# KiCad board GPDI_ULX3S_panel.kicad_pcb (continued)
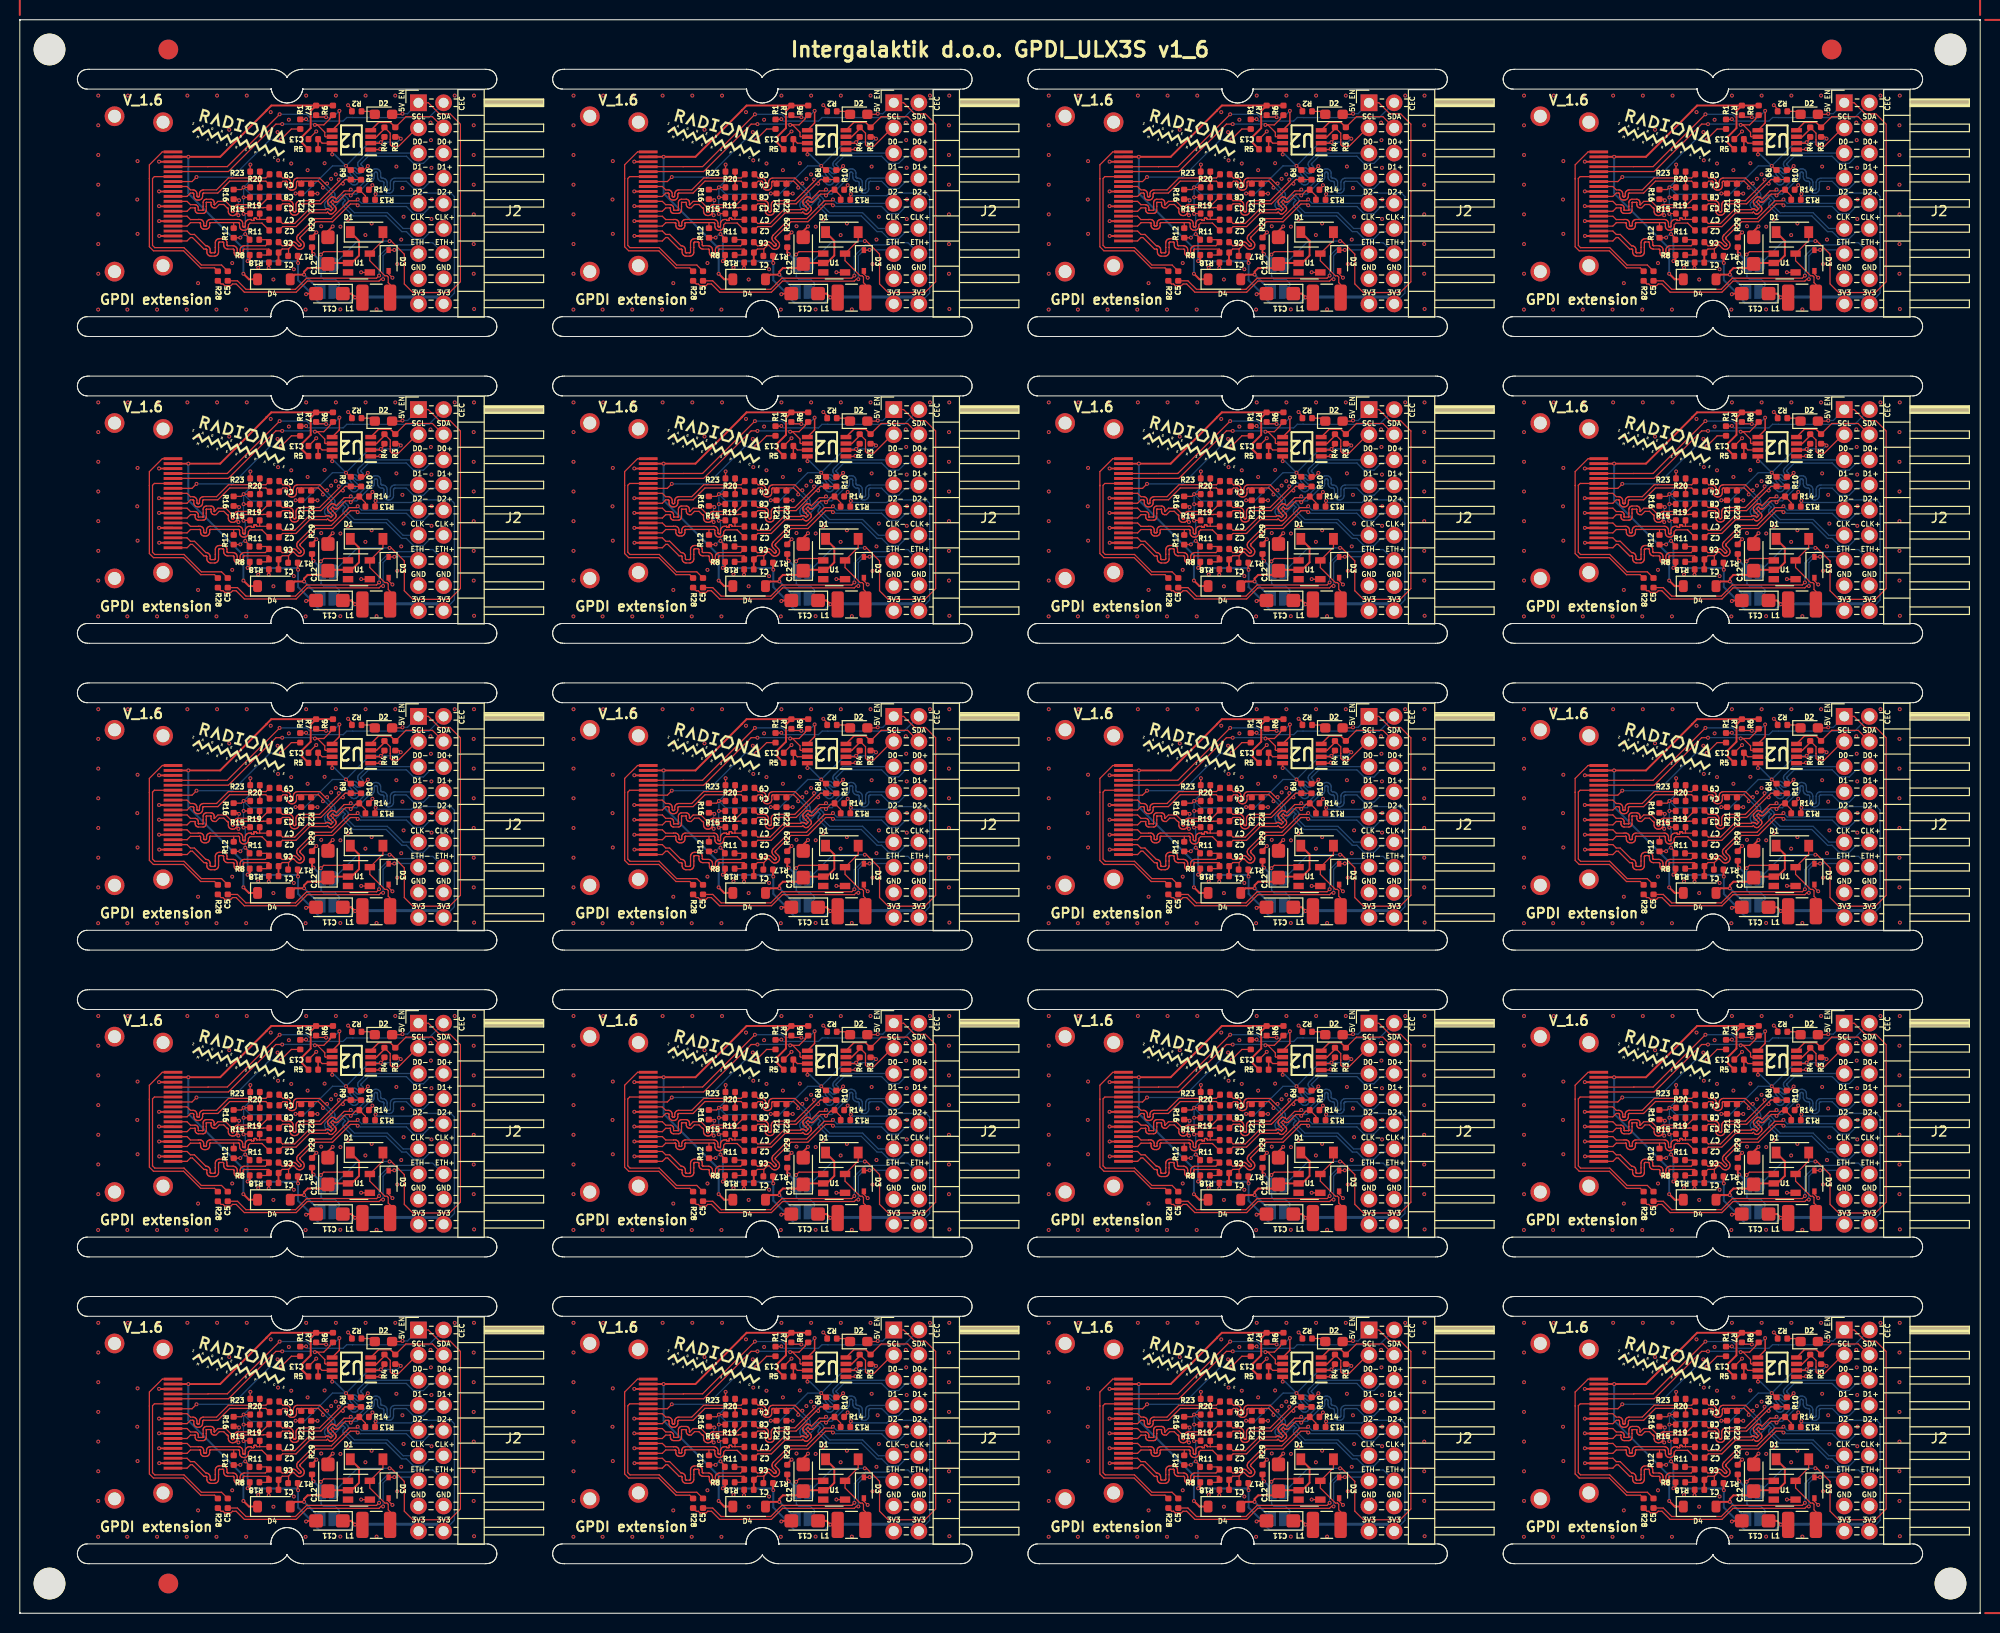
[diagram p0: board, top side]
## Routing (per net, layer and track width the routed paths; a pad name or vN(x,y) marks a point on that pad's centre or on a via; arc(x,y) is an arc through that point) (continued)
  Bottom w0.127: v1(32.63,51.44) 32.63,51.63 32.85,51.85 32.87,51.87 32.9,51.88 32.93,51.89 32.96,51.89 32.99,51.88 33.02,51.87 33.05,51.85 33.46,51.43 33.54,51.37 33.62,51.33 33.72,51.31 33.82,51.31 33.91,51.33 34,51.37 34.07,51.43 34.11,51.47 34.17,51.55 34.21,51.63 34.24,51.73 34.24,51.83 34.21,51.92 34.17,52.01 34.11,52.08 33.7,52.5 33.68,52.52 33.66,52.55 33.66,52.58 33.66,52.61 33.66,52.64 33.68,52.67 33.7,52.7 33.71,52.71 33.73,52.72 33.75,52.72 33.77,52.72 33.79,52.72 33.81,52.71 33.83,52.7 33.95,52.57 34.02,52.51 34.1,52.48 34.18,52.46 34.27,52.46 34.35,52.48 34.43,52.51 34.5,52.57 34.6,52.67 34.66,52.74 34.7,52.82 34.72,52.9 34.72,52.99 34.7,53.07 34.66,53.15 34.6,53.22 34.48,53.35 34.46,53.36 34.45,53.38 34.45,53.4 34.45,53.42 34.45,53.44 34.46,53.46 34.48,53.47 35.22,54.22 39.04,54.22 39.76,53.49 40.76,53.49 41.48,54.22 42.48,54.22 J2#14.6
Board_12-GPDI_D0-: length 20.9
  Top w0.127: v1(32.22,51.86) 32.22,51.67 30.27,49.72 28.33,49.72 28.23,49.71 28.14,49.68 28.06,49.63 27.99,49.56 27.94,49.48 27.9,49.39 27.89,49.29 27.89,48.72 27.89,48.69 27.88,48.66 27.86,48.63 27.84,48.61 27.81,48.59 27.78,48.58 27.75,48.58 27.72,48.58 27.69,48.59 27.66,48.61 27.64,48.63 27.63,48.66 27.62,48.69 27.61,48.72 27.61,49.29 27.6,49.39 27.57,49.48 27.52,49.56 27.45,49.63 27.37,49.68 27.28,49.71 27.18,49.72 26.53,49.72 C8#18.1
  Bottom w0.127: J2#14.5 35.08,54.53 34.23,53.68 34.18,53.62 34.14,53.54 34.12,53.45 34.12,53.37 34.14,53.28 34.18,53.21 34.23,53.14 34.36,53.01 34.37,52.99 34.38,52.97 34.39,52.95 34.39,52.93 34.38,52.91 34.37,52.9 34.36,52.88 34.29,52.81 34.28,52.8 34.26,52.79 34.24,52.78 34.22,52.78 34.2,52.79 34.18,52.8 34.16,52.81 34.03,52.94 33.97,52.99 33.89,53.03 33.8,53.05 33.72,53.05 33.63,53.03 33.56,52.99 33.49,52.94 33.45,52.9 33.39,52.83 33.35,52.74 33.33,52.65 33.33,52.55 33.35,52.45 33.39,52.37 33.45,52.29 33.87,51.88 33.89,51.85 33.9,51.82 33.91,51.79 33.91,51.76 33.9,51.73 33.89,51.7 33.87,51.68 33.84,51.66 33.81,51.64 33.78,51.64 33.75,51.64 33.72,51.64 33.69,51.66 33.67,51.68 33.25,52.09 33.18,52.15 33.09,52.19 33,52.22 32.9,52.22 32.81,52.19 32.72,52.15 32.64,52.09 32.41,51.86 v1(32.22,51.86)
Board_12-GPDI_D1+: length 26.6
  Top w0.127: R13#14.2 34.91,50.21 R14#7.1 34.19,50.74 33.91,50.74 v1(33.42,50.25) 33.29,50.39 32.89,50.39 32.16,49.66 32.1,49.61 32.04,49.59 31.98,49.57 31.91,49.57 31.85,49.59 31.79,49.61 31.73,49.66 31.61,49.78 31.41,49.58 31.63,49.36 31.62,49.35 31.86,49.11 31.9,49.06 31.93,48.99 31.95,48.93 31.95,48.86 31.93,48.8 31.9,48.74 31.86,48.68 31.63,48.46 31.58,48.42 31.52,48.39 31.46,48.37 31.39,48.37 31.32,48.39 31.26,48.42 31.21,48.46 31.08,48.58 30.99,48.49 29.29,48.49 27.9,47.1 26.54,47.1 C2#10.1
  Bottom w0.127: v1(33.42,50.25) 33.56,50.39 34.03,50.39 35.31,51.68 35.34,51.68 35.44,51.69 35.54,51.72 35.62,51.78 35.7,51.85 35.75,51.93 35.78,52.03 35.8,52.13 35.8,52.45 35.8,52.49 35.81,52.53 35.83,52.56 35.86,52.58 35.89,52.6 35.92,52.62 35.96,52.62 36,52.62 36.03,52.6 36.06,52.58 36.09,52.56 36.11,52.53 36.12,52.49 36.13,52.45 36.13,52.13 36.14,52.03 36.17,51.93 36.23,51.85 36.3,51.78 36.39,51.72 36.48,51.69 36.58,51.68 36.61,51.68 36.65,51.67 36.68,51.66 36.71,51.64 36.74,51.61 36.76,51.58 36.77,51.55 36.78,51.51 36.78,50.94 36.79,50.84 36.82,50.74 36.88,50.65 36.95,50.58 37.04,50.53 37.13,50.49 37.23,50.48 37.29,50.48 37.39,50.49 37.49,50.53 37.57,50.58 37.65,50.65 37.7,50.74 37.73,50.84 37.75,50.94 37.75,51.51 37.75,51.55 37.76,51.58 37.78,51.61 37.81,51.64 37.84,51.66 37.87,51.67 37.91,51.68 39.04,51.68 39.76,50.95 40.76,50.95 41.48,51.68 42.48,51.68 J2#14.8
Board_12-GPDI_D1-: length 21
  Top w0.127: C7#17.1 26.54,47.42 27.77,47.42 29.16,48.81 30.86,48.81 30.87,48.82 30.92,48.86 30.98,48.89 31.05,48.91 31.12,48.91 31.18,48.89 31.24,48.86 31.3,48.82 31.42,48.7 31.62,48.9 31.4,49.12 31.41,49.13 31.17,49.37 31.13,49.42 31.1,49.48 31.08,49.55 31.08,49.62 31.1,49.68 31.13,49.74 31.17,49.79 31.39,50.02 31.45,50.06 31.51,50.09 31.57,50.11 31.64,50.11 31.71,50.09 31.77,50.06 31.82,50.02 31.94,49.89 32.76,50.71 33.29,50.71 v1(33.42,50.85)
  Bottom w0.127: v1(33.42,50.85) 33.56,50.71 33.89,50.71 35.18,52 35.31,52 35.35,52 35.38,52.01 35.41,52.03 35.44,52.06 35.46,52.09 35.47,52.12 35.48,52.16 35.48,52.48 35.49,52.58 35.52,52.68 35.58,52.77 35.65,52.84 35.74,52.89 35.83,52.93 35.93,52.94 35.99,52.94 36.09,52.93 36.19,52.89 36.27,52.84 36.35,52.77 36.4,52.68 36.43,52.58 36.45,52.48 36.45,52.16 36.45,52.12 36.46,52.09 36.48,52.06 36.51,52.03 36.54,52.01 36.57,52 36.61,52 36.64,52 36.74,51.98 36.84,51.95 36.92,51.9 37,51.82 37.05,51.74 37.08,51.64 37.1,51.54 37.1,50.97 37.1,50.93 37.11,50.89 37.13,50.86 37.16,50.84 37.19,50.82 37.22,50.8 37.26,50.8 37.3,50.8 37.33,50.82 37.36,50.84 37.39,50.86 37.41,50.89 37.42,50.93 37.43,50.97 37.43,51.54 37.44,51.64 37.47,51.74 37.53,51.82 37.6,51.9 37.69,51.95 37.78,51.98 37.88,52 J2#14.7
Board_12-GPDI_D2+: length 22.7
  Top w0.127: 27.14,44.84 27.14,44.19 R17#14.2 ; 27.14,44.84 26.5,44.84 C1#9.1 ; 27.14,44.84 27.49,45.19 27.51,45.21 27.54,45.22 27.57,45.23 27.6,45.23 27.63,45.22 27.66,45.21 27.69,45.19 27.96,44.92 28.03,44.86 28.12,44.82 28.21,44.79 28.31,44.79 28.4,44.82 28.49,44.86 28.57,44.92 28.61,44.96 28.67,45.03 28.71,45.12 28.73,45.21 28.73,45.31 28.71,45.41 28.67,45.49 28.61,45.57 28.34,45.84 28.32,45.86 28.3,45.89 28.3,45.92 28.3,45.95 28.3,45.98 28.32,46.01 28.34,46.04 29.89,47.59 31.59,47.59 33.39,49.39 33.99,49.39 v1(34.12,49.25)
  Top w0.2: C1#9.1 26.13,44.47 R18.1
  Bottom w0.127: v1(34.12,49.25) 34.27,49.25 34.38,49.14 39.04,49.14 39.76,48.41 40.76,48.41 41.48,49.14 42.48,49.14 J2#14.10
Board_12-GPDI_D2-: length 17.8
  Top w0.127: C6#5.1 26.5,45.16 27.01,45.16 27.28,45.43 27.36,45.49 27.44,45.53 27.54,45.56 27.64,45.56 27.73,45.53 27.82,45.49 27.89,45.43 28.16,45.16 28.19,45.14 28.21,45.13 28.25,45.12 28.28,45.12 28.31,45.13 28.34,45.14 28.36,45.16 28.38,45.19 28.39,45.22 28.4,45.25 28.4,45.28 28.39,45.31 28.38,45.34 28.36,45.36 28.09,45.63 28.03,45.71 27.99,45.79 27.97,45.89 27.97,45.98 27.99,46.08 28.03,46.17 28.09,46.24 29.76,47.91 31.46,47.91 33.26,49.71 33.99,49.71 v1(34.12,49.85)
  Bottom w0.127: v1(34.12,49.85) 34.52,49.46 J2#14.9
Board_12-GPDI_ETH+: length 25.7
  Top w0.127: v1(36.29,42.15) 36.03,41.89 28.97,41.89 27.84,40.77 22.84,40.77 21.98,41.62 C5#14.1
  Bottom w0.127: v1(36.29,42.15) 36.29,44.13 37.41,45.25 39.65,45.25 39.87,45.47 41.71,45.47 J2#14.14
Board_12-GPDI_ETH-: length 24.8
  Top w0.127: v1(37.82,44.75) 37.8,44.72 37.25,44.72 ; v1(36.69,41.79) 36.48,41.79 36.29,41.6 29.03,41.6 27.91,40.48 22.68,40.48 21.85,41.31 21.48,41.31 21.31,41.14 20.69,41.14 20.52,41.31 20.32,41.31 R28#14.2
  Bottom w0.127: J2#14.13 39.89,44.75 v1(37.83,44.75) 37.27,44.75 36.69,44.16 36.69,41.79 v1(36.69,41.79)
Board_12-GPDI_SCL: length 21.1
  Top w0.127: P1#17.15 15.48,52.67 21.07,52.67 25.86,57.46 v1(26.5,57.46) ; U2#8.6 30.87,56.18 30.8,56.25 30.8,56.63 30.05,57.38 v1(29.8,57.38) 30.7,57.38 31.32,58 31.32,58.06 R6#13.2
  Bottom w0.127: v1(26.5,57.46) 26.51,57.47 29.71,57.47 v1(29.8,57.38)
Board_12-GPDI_SDA: length 22.8
  Top w0.127: v1(30.93,58.16) 30.91,58.18 30.11,58.18 R7#18.2 ; P1#17.16 19.01,53.15 19.02,53.17 20.96,53.17 v1(26.24,58.45)
  Top w0.15: U2#8.5 32.28,57.57 v1(32.28,58.8)
  Bottom w0.127: v1(26.24,58.45) 28.97,58.45 29.25,58.17 30.92,58.17 v1(30.93,58.16) 30.99,58.1 31.58,58.1 v1(32.28,58.8)
Board_12-Net-(D1-A): length 8.1
  Top w0.127: L1#12.2 37.4,41.25 37.21,41.44 37.21,42.01 37.08,42.13 36.87,42.13 35.35,43.66 U1#2.5 36.67,45.7 D1#4.2
Board_12-Net-(D1-K): length 13.2
  Top w0.2: D4#5.2 27.78,42.25 v1(28.71,42.25) 28.71,42.55 29.07,42.91 30.7,42.91 C12#5.1 31.22,43.43 U1#2.2 33.51,43.43 34.26,44.18 34.26,45.66 D1#4.1
  Bottom w0.2: v1(28.71,42.25) 30.37,40.59 JP2#12.1
Board_12-Net-(D2-K): length 1.5
  Top w0.127: D2#14.1 35.55,58.75 R2#14.1
Board_12-Net-(U2-VREF2): length 2.6
  Top w0.127: C13#17.1 30.53,55.53 U2#8.7
  Top w0.15: R5#12.2 C13#17.1
Board_12-PMOD_SCL: length 8.1
  Top w0.127: R4#17.2 37.41,56.55 37.41,55.88 37.41,55.88 37.41,55.38 37.59,55.21 38.25,55.21 40.11,57.07 J2#14.3 39.88,56.69
  Top w0.15: R4#17.2 36.82,56.98 36.03,56.18 U2#8.3
Board_12-PMOD_SDA: length 8.8
  Top w0.127: J2#14.4 41.67,58.21 39,58.21 R3#16.2
  Top w0.15: U2#8.4 36.24,57.63 37.43,57.63 R3#16.2
Board_13-5V_ENABLE: length 54.8
  Top w0.127: 87.8,59.15 J2#3.1 89.26,59.62 90.39,58.49 91.46,58.49 92.5,57.45 92.5,41.53 91.41,40.44 87.7,40.44 86.83,41.31 86.83,44.32 85.51,45.64 v1(85.34,45.64) ; v1(86.65,58.51) 86.59,58.45 D2#8.2 ; U1#20.1 80.96,44.57 78.7,44.57 v1(78.41,44.28)
  Top w0.2: v1(77.66,44.33) 77.51,44.48 R29#14.1
  Bottom w0.127: v1(78.41,44.28) 78.41,44.01 78.42,44 JP1#7.2 78.43,43.25 78.43,42.03 78.44,42.03 78.68,41.79 79.86,41.79 80.26,41.39 80.26,41.13 JP2#8.2 ; JP1#7.1 82.12,45.64 v1(85.34,45.64) ; v1(86.65,58.51) 87.16,58.51 J2#3.1
  Bottom w0.2: v1(77.66,44.33) 78.42,43.57 JP1#7.2
  Bottom w0.5: JP1#7.2 JP1#7.1
Board_13-+3V3: length 87.4
  Top w0.127: R15#4.1 70.62,48.42 v1(70.59,48.39) ; L1#4.1 81.88,39.93 v1(81.86,39.95) ; v1(84.47,55.63) 84.82,55.99 R4#5.1 ; v1(80.94,53.24) 81.36,52.82 R9#17.1 ; R20#3.1 v1(70.6,51.07) 70.38,50.85 R16#2.1 ; R3#4.1 86.3,56.16 v1(86.47,55.99) ; v1(71.29,53.37) 71.27,53.35 R23#8.1 ; v1(70.27,45.99) 70.26,45.97 R12#13.1 ; R11#10.1 71.21,45.91 v1(70.77,46.35) ; v1(83.93,50.38) 83.88,50.33 R13#7.1 ; v1(75.85,50.45) R21.1 ; R19#6.1 v1(70.6,50.06)
  Top w0.15: U2#6.8 79.54,54.41 v1(79.55,54.4) ; v1(84.47,55.63) 84.37,55.53 U2#6.2
  Top w0.2: R8#3.1 71.23,43.84 v1(71.01,43.62) ; v1(81.86,39.95) 81.48,40.33 C11#17.1 ; v1(76.1,43.43) 76.07,43.46 R17#11.1
  Bottom w0.127: v1(70.6,51.07) v1(70.6,50.06) 70.59,50.05 v1(70.59,48.39) 70.77,48.22 v1(70.77,46.35) 70.63,46.35 v1(70.27,45.99) ; v1(70.6,51.07) 71.29,51.75 v1(71.29,53.37) ; v1(70.6,51.07) 71.3,50.37 75.77,50.37 v1(75.85,50.45) 76.79,50.45 79.58,53.24 v1(80.94,53.24) 83.34,55.63 v1(84.47,55.63) 86.12,55.63 v1(86.47,55.99) ; v1(83.93,50.38) 84.08,50.23 87.57,50.23 87.83,50.5 91.54,50.5 91.89,50.14 91.89,40.38 J2#3.18
  Bottom w0.15: v1(79.55,54.4) 79.78,54.4 v1(80.94,53.24)
  Bottom w0.2: v1(70.77,46.35) 71.01,46.11 v1(71.01,43.62) 71.03,43.6 75.93,43.6 v1(76.1,43.43) 76.1,41.68 77.65,40.14 77.65,40 78.24,39.41 81.32,39.41 v1(81.86,39.95)
  Bottom w0.3: v1(81.86,39.95) 81.9,39.99 90.11,39.99 J2#3.18
Board_13-+5V: length 39.3
  Top w0.2: R7#4.1 77.38,58.79 77.38,57.06 76.53,56.2 76.53,55.55 R5#14.1 ; R7#4.1 R6#19.1 ; R7#4.1 73.4,59.34 72.92,58.85 72.92,58.83 68.24,54.15 v1(65.02,54.15) P1#7.18 ; D4#6.1 71.14,41.78 v1(70.58,42.34)
  Bottom w0.2: v1(65.02,54.15) 65.02,50.46 70.58,44.9 v1(70.58,42.34)
Board_13-/CEC: length 15.1
  Top w0.127: R1#4.1 75.43,56.97 v1(74.37,55.91) ; v1(65.85,52.11) 65.39,51.65 P1#7.13
  Bottom w0.127: v1(65.85,52.11) 69.47,52.11 73.28,55.91 v1(74.37,55.91)
Board_13-/CLK+: length 12.1
  Top w0.127: P1#7.10 64.89,50.15 65.24,50.5 65.45,50.5 65.48,50.49 65.51,50.48 65.53,50.47 65.55,50.45 65.56,50.43 65.57,50.4 65.57,50.38 65.57,50.19 65.58,50.1 65.61,50.02 65.66,49.94 65.73,49.87 65.8,49.82 65.89,49.79 65.98,49.78 66.05,49.78 66.14,49.79 66.23,49.82 66.31,49.87 66.37,49.94 66.42,50.02 66.45,50.1 66.46,50.19 66.46,50.38 66.47,50.4 66.48,50.43 66.49,50.45 66.51,50.47 66.53,50.48 66.55,50.49 66.58,50.5 68,50.5 69.2,51.7 72.85,51.7 C4#2.2
  Top w0.15: R20#3.2 72.24,51.66
Board_13-/CLK-: length 12.2
  Top w0.127: 72.26,52.02 72.85,52.02 C9#6.2 ; 72.26,52.02 72.24,52.03 R23#8.2 ; 72.26,52.02 69.07,52.02 67.87,50.81 66.56,50.81 66.46,50.8 66.38,50.77 66.3,50.72 66.23,50.66 66.19,50.58 66.16,50.49 66.14,50.4 66.14,50.22 66.14,50.19 66.13,50.17 66.12,50.15 66.1,50.13 66.08,50.11 66.05,50.1 66.03,50.1 66.01,50.1 65.98,50.1 65.96,50.11 65.93,50.13 65.92,50.15 65.9,50.17 65.89,50.19 65.89,50.22 65.89,50.4 65.88,50.49 65.85,50.58 65.8,50.66 65.74,50.72 65.66,50.77 65.57,50.8 65.48,50.81 65.24,50.81 64.89,51.15 P1#7.12
Board_13-/D0+: length 15.7
  Top w0.127: C3#4.2 72.59,49.03 72.57,49.01 70.66,49.01 70.63,49 70.6,48.99 70.58,48.98 70.56,48.96 70.54,48.93 70.53,48.91 70.53,48.88 70.53,48.87 70.53,48.84 70.52,48.82 70.5,48.79 70.48,48.77 70.46,48.76 70.43,48.75 70.4,48.75 70.37,48.75 70.35,48.76 70.32,48.77 70.3,48.79 70.29,48.82 70.28,48.84 70.28,48.87 70.28,48.88 70.27,48.91 70.26,48.93 70.25,48.96 70.23,48.98 70.2,48.99 70.18,49 70.15,49.01 70.08,49.01 70.05,49 70.02,48.99 70,48.98 69.98,48.96 69.96,48.93 69.95,48.91 69.95,48.88 69.95,48.64 69.94,48.55 69.91,48.46 69.86,48.38 ; v1(70.15,49.76) 70.03,49.88 R16#2.2 ; 69.86,48.38 69.95,48.38 v1(70.08,48.25) ; 69.86,48.38 69.79,48.31 69.71,48.26 69.62,48.23 69.53,48.22 69.48,48.22 69.38,48.23 69.3,48.26 69.22,48.31 69.15,48.38 69.1,48.46 69.07,48.55 69.06,48.64 69.06,48.88 69.05,48.91 69.04,48.93 69.03,48.96 69.01,48.98 68.99,48.99 68.96,49 68.93,49.01 68.6,49.34 68.14,49.34 67.8,49 67.65,49 67.58,49 67.5,49.03 67.44,49.07 67.39,49.12 67.35,49.19 67.32,49.26 67.31,49.33 67.31,49.51 67.31,49.52 67.31,49.53 67.3,49.54 67.3,49.54 67.29,49.55 67.28,49.55 67.27,49.55 66.87,49.55 66.86,49.55 66.85,49.55 66.85,49.54 66.84,49.54 66.84,49.53 66.83,49.52 66.83,49.51 66.83,49.15 66.83,48.78 66.82,48.7 66.8,48.63 66.76,48.57 66.7,48.51 66.64,48.47 66.57,48.45 66.49,48.44 66.05,48.44 65.97,48.45 65.9,48.47 65.84,48.51 65.79,48.57 65.75,48.63 65.72,48.7 65.71,48.78 65.71,48.96 65.71,48.97 65.71,48.97 65.7,48.98 65.7,48.99 65.69,48.99 65.68,48.99 65.67,49 65.24,49 64.89,48.65 P1#7.7
  Bottom w0.127: v1(70.08,48.25) 70.08,49.7 v1(70.15,49.76)
Board_13-/D0-: length 14.1
  Top w0.127: P1#7.9 64.89,49.65 65.24,49.31 65.69,49.31 65.77,49.31 65.84,49.28 65.9,49.24 65.96,49.19 66,49.12 66.02,49.05 66.03,48.98 66.03,48.8 66.03,48.79 66.03,48.78 66.04,48.77 66.05,48.77 66.05,48.76 66.06,48.76 66.07,48.76 66.47,48.76 66.48,48.76 66.49,48.76 66.5,48.77 66.5,48.77 66.51,48.78 66.51,48.79 66.51,48.8 66.51,49.15 66.51,49.15 66.51,49.53 66.52,49.61 66.55,49.68 66.59,49.74 66.64,49.8 66.7,49.84 66.78,49.86 66.85,49.87 67.29,49.87 67.37,49.86 67.44,49.84 67.51,49.8 67.56,49.74 67.6,49.68 67.62,49.61 67.63,49.53 67.63,49.35 67.63,49.34 67.64,49.34 67.64,49.33 67.65,49.32 67.65,49.32 67.66,49.32 67.67,49.31 68.01,49.65 68.8,49.65 69.28,49.17 69.33,49.09 69.37,49 69.38,48.91 69.38,48.67 69.38,48.64 69.39,48.61 69.4,48.59 69.42,48.57 69.45,48.55 69.48,48.54 69.5,48.54 69.53,48.54 69.56,48.55 69.58,48.57 69.6,48.59 69.62,48.61 69.63,48.64 69.63,48.67 69.63,48.91 69.64,49 69.67,49.09 69.72,49.17 69.79,49.23 69.87,49.28 69.96,49.31 70.05,49.33 72.39,49.33 C8#10.2 73.13,50.06
  Top w0.15: 72.2,49.33 72.22,49.34 R19#6.2
Board_13-/D1+: length 12.6
  Top w0.127: 69.6,46.94 69.6,47.49 ; P1#7.4 64.89,47.15 65.24,47.5 66.15,47.5 66.16,47.51 66.18,47.5 66.2,47.5 66.22,47.49 66.24,47.47 66.25,47.45 66.25,47.43 66.26,47.41 66.26,47.23 66.27,47.14 66.29,47.06 66.34,46.99 66.4,46.93 66.48,46.88 66.56,46.85 66.64,46.84 66.79,46.84 66.87,46.85 66.95,46.88 67.03,46.93 67.09,46.99 67.14,47.06 67.16,47.14 67.17,47.23 67.17,47.41 67.18,47.43 67.18,47.45 67.19,47.47 67.21,47.49 67.23,47.5 67.25,47.5 67.27,47.51 70.07,47.51 70.1,47.5 70.13,47.49 70.15,47.48 70.17,47.46 70.18,47.43 70.19,47.41 70.2,47.38 70.2,47.15 70.21,47.05 70.24,46.97 70.29,46.89 70.36,46.82 70.44,46.77 70.52,46.74 70.62,46.73 70.67,46.73 70.76,46.74 70.85,46.77 70.93,46.82 71,46.89 71.05,46.97 71.08,47.05 71.09,47.15 71.09,47.29 71.26,47.46 72.45,47.46 C2#15.2
Board_13-/D1-: length 12.8
  Top w0.127: 72.23,47.83 71.97,47.83 71.95,47.83 71.94,47.83 71.92,47.84 71.91,47.85 71.9,47.87 71.9,47.88 71.9,47.91 71.89,47.93 71.88,47.94 71.87,47.96 71.86,47.96 71.84,47.97 71.82,47.97 71.72,47.97 71.7,47.97 71.68,47.96 71.67,47.96 71.66,47.94 71.65,47.93 71.65,47.91 71.64,47.9 71.64,47.78 71.64,47.76 71.64,47.75 71.63,47.74 71.62,47.74 71.62,47.73 71.6,47.73 71.59,47.73 71.44,47.73 71.43,47.73 71.42,47.73 71.41,47.74 71.4,47.74 71.39,47.75 71.39,47.76 71.39,47.79 71.38,47.8 71.38,47.81 71.37,47.81 71.36,47.82 71.35,47.82 71.34,47.83 71.19,47.83 71.1,47.81 71.01,47.78 70.93,47.73 70.86,47.67 70.81,47.59 70.78,47.5 70.77,47.41 70.77,47.17 70.77,47.15 70.76,47.12 70.74,47.09 70.72,47.07 70.7,47.06 70.67,47.05 70.64,47.05 70.62,47.05 70.59,47.06 70.56,47.07 70.54,47.09 70.53,47.12 70.52,47.15 70.52,47.17 70.52,47.41 70.51,47.5 70.47,47.59 70.42,47.67 70.36,47.73 70.28,47.78 70.19,47.81 70.1,47.83 67.24,47.83 67.16,47.82 67.08,47.79 67,47.74 66.94,47.68 66.89,47.61 66.87,47.52 66.86,47.44 66.86,47.25 66.85,47.23 66.85,47.21 66.84,47.2 66.82,47.18 66.8,47.17 66.78,47.16 66.76,47.16 66.67,47.16 66.65,47.16 66.63,47.17 66.61,47.18 66.59,47.2 66.58,47.21 66.58,47.23 66.57,47.25 66.57,47.44 66.56,47.52 66.54,47.61 66.49,47.68 66.43,47.74 66.35,47.79 66.27,47.82 66.19,47.83 66.03,47.83 66.02,47.81 65.24,47.81 64.89,48.15 P1#7.6 ; 72.23,47.83 73.16,47.83 C7#14.2 ; 72.23,47.83 R15#4.2
Board_13-/D2+: length 15
  Top w0.127: R8#3.2 72.92,44.23 C1#19.2 73.17,44.8 73.14,44.83 70.65,44.83 70.62,44.82 70.6,44.79 70.58,44.77 70.57,44.74 70.57,44.71 70.57,44.5 70.56,44.4 70.52,44.31 70.47,44.23 70.4,44.16 70.32,44.1 70.23,44.07 70.13,44.06 70.08,44.06 69.98,44.07 69.89,44.1 69.81,44.16 69.74,44.23 69.69,44.31 69.66,44.4 69.64,44.5 69.64,44.71 69.64,44.74 69.63,44.77 69.61,44.79 69.59,44.82 69.56,44.83 69.01,44.83 68.91,44.84 68.83,44.88 68.75,44.92 68.68,44.99 68.63,45.07 68.6,45.16 68.59,45.25 68.59,45.44 68.59,45.47 68.58,45.49 68.57,45.51 68.55,45.53 68.53,45.54 68.51,45.55 68.48,45.55 68.18,45.55 68.16,45.55 68.14,45.54 68.12,45.53 68.1,45.51 68.09,45.49 68.08,45.47 68.07,45.44 68.07,45 68.07,45 68.07,44.53 68.06,44.44 68.03,44.35 67.98,44.27 67.92,44.21 67.84,44.16 67.75,44.13 67.66,44.12 67.31,44.12 67.21,44.13 67.13,44.16 67.05,44.21 66.98,44.27 66.93,44.35 66.9,44.44 66.89,44.53 66.89,44.73 66.89,44.75 66.88,44.77 66.87,44.79 66.85,44.81 66.83,44.82 66.81,44.83 66.78,44.83 66.6,44.83 65.43,46 65.24,46 64.89,45.65 P1#7.1
Board_13-/D2-: length 14.8
  Top w0.127: P1#7.3 64.89,46.65 65.24,46.31 65.64,46.31 66.78,45.17 66.81,45.17 66.9,45.16 66.99,45.13 67.07,45.08 67.13,45.01 67.18,44.93 67.21,44.84 67.22,44.75 67.22,44.56 67.23,44.54 67.23,44.51 67.25,44.49 67.26,44.48 67.28,44.46 67.31,44.45 67.33,44.45 67.63,44.45 67.66,44.45 67.68,44.46 67.7,44.48 67.72,44.49 67.73,44.51 67.74,44.54 67.74,44.56 67.74,45 67.74,45.47 67.75,45.56 67.78,45.65 67.83,45.73 67.9,45.79 67.98,45.84 68.06,45.87 68.16,45.88 68.51,45.88 68.6,45.87 68.69,45.84 68.77,45.79 68.83,45.73 68.88,45.65 68.91,45.56 68.92,45.47 68.92,45.27 68.93,45.25 68.94,45.23 68.95,45.21 68.97,45.19 68.99,45.18 69.01,45.17 69.03,45.17 69.53,45.17 69.63,45.16 69.72,45.12 69.8,45.07 69.87,45 69.92,44.92 69.95,44.83 69.96,44.73 69.96,44.52 69.97,44.49 69.98,44.46 69.99,44.43 70.02,44.41 70.04,44.39 70.07,44.38 70.11,44.38 70.14,44.38 70.17,44.39 70.19,44.41 70.22,44.43 70.23,44.46 70.24,44.49 70.25,44.52 70.25,44.73 70.26,44.83 70.29,44.92 70.34,45 70.41,45.07 70.49,45.12 70.59,45.16 70.68,45.17 72.8,45.17 C6#13.2 72.91,45.78 R11#10.2
Board_13-/ETH+: length 17.6
  Top w0.127: C5#4.2 68.38,43.22 66.34,43.22 64.58,44.98 61.63,44.98 61.4,45.2 61.4,51.97 61.59,52.15 P1#7.14
Board_13-/ETH-: length 19.2
  Top w0.127: P1#7.19 62.39,54.65 61.09,53.35 61.09,51.93 ; 61.09,51.93 61.09,51.97 ; 61.09,51.93 61.09,45.07 61.5,44.66 64.54,44.66 66.27,42.93 67.67,42.93 R28#5.1
Board_13-GND: length 17.5
  Top w0.127: R22#8.2 78.07,50.44 v1(78.07,50.44) ; R14#20.2 83.61,51.19 v1(83.61,51.29) ; D3#16.2 85.25,42.32 v1(85.63,41.94) ; R10#20.2 82.75,52.82 v1(83.15,53.22) ; v1(81.15,59.37) 81.54,58.98 R2#4.2 ; U1#20.4 82.49,42.47 v1(82.47,42.49) ; v1(77.94,56.72) 77.94,56.72 C13#19.2
  Top w0.15: U2#6.1 84.35,54.88 v1(84.4,54.94)
  Top w0.2: v1(62.06,50.66) 62.07,50.65 P1#7.11 ; P1#7.5 62.08,47.65 v1(62.07,47.66) ; v1(62.06,49.18) 62.08,49.15 P1#7.8 ; P1#7.17 62.07,53.65 v1(62.06,53.67) ; C12#3.2 79.12,46.64 v1(79.6,47.12) ; v1(62.08,46.16) 62.08,46.15 P1#7.2 ; v1(73.14,42.93) 73.16,42.94 R18#13.2 ; v1(76.91,40.27) 76.97,40.33 C11#17.2 ; v1(77.95,46.52) 77.51,46.08 R29#14.2
  In1.Cu w0.5: 88.38,41.72 J2#3.15
  vias: v1(55.92,60.34) v1(55.92,57.34) v1(55.92,54.34) v1(55.92,51.34) v1(55.92,48.34) v1(55.92,45.34) v1(55.92,42.34) v1(55.91,38.72) v1(58.92,60.34) v1(58.86,38.72) v1(59.89,53.72) v1(59.86,49.84) v1(59.89,46.37) v1(61.92,60.34) v1(61.86,38.72) v1(64.92,60.34) v1(64.86,38.72) v1(66.02,56.97) v1(66,41.39) v1(67.92,60.34) v1(67.86,38.72) v1(69.15,56.89) v1(69.45,43.42) v1(70.92,60.34) v1(70.86,38.72) v1(72.08,42.94) v1(73.34,58.67) v1(73.61,41.76) v1(74.03,56.65) v1(74.08,53.8) v1(75.17,57.9) v1(75.41,53.48) v1(75.68,42.79) v1(76.92,60.34) v1(76.86,38.72) v1(77.07,52.81) v1(78.44,47.14) v1(78.78,53.51) v1(79.44,51.93) v1(79.92,60.34) v1(79.91,52.38) v1(80.38,47.1) v1(80.37,38.74) v1(81.14,47.81) v1(82.92,60.34) v1(82.9,46.25) v1(83.53,47.42) v1(84.03,38.74) v1(85.92,60.34) v1(86.03,53.17) v1(86.12,43.32) v1(86.52,45.79) v1(86.64,51) v1(86.76,48.1) v1(89.48,57.61) v1(89.52,55.84) v1(89.57,53.05) v1(89.6,49.85) v1(89.58,47.87) v1(91.92,60.34) v1(93.84,57.34) v1(93.84,54.34) v1(93.84,51.34) v1(93.84,48.34) v1(93.84,45.34) v1(93.84,42.34) v1(93.87,60.34) v1(93.88,38.78)
Board_13-GPDI_CEC: length 15.3
  Top w0.127: v1(76.91,57.96) 76.89,57.94 R1#4.2
  Bottom w0.127: v1(76.91,57.96) 77.1,57.77 80.66,57.77 81.02,58.13 81.6,58.13 81.61,58.12 89.31,58.12 J2#3.2
Board_13-GPDI_CLK+: length 24.8
  Top w0.127: 76.45,51.69 76.42,51.67 R21.2 ; 76.45,51.69 77.43,51.69 ; 76.45,51.69 76.09,51.69 76.06,51.69 76.03,51.68 76,51.66 75.98,51.64 75.96,51.61 75.95,51.58 75.95,51.55 75.95,51.22 75.94,51.12 75.9,51.03 75.85,50.95 75.78,50.88 75.7,50.83 75.61,50.8 75.51,50.79 75.46,50.79 75.36,50.8 75.27,50.83 75.19,50.88 75.12,50.95 75.07,51.03 75.04,51.12 75.03,51.22 75.03,51.55 75.02,51.58 75.01,51.61 75,51.64 74.97,51.66 74.95,51.68 74.92,51.69 74.89,51.69 74.57,51.69 C4#2.1 ; R22#8.1 77.43,51.69 ; 77.43,51.69 78.16,51.69 78.62,51.23 v1(78.62,51.04)
  Bottom w0.127: v1(78.62,51.04) 78.81,51.04 79.46,50.39 79.48,50.36 79.5,50.33 79.5,50.29 79.5,50.26 79.5,50.22 79.48,50.19 79.46,50.16 78.91,49.61 78.85,49.53 78.8,49.44 78.78,49.34 78.78,49.24 78.8,49.14 78.85,49.05 78.91,48.97 78.95,48.93 79.03,48.86 79.12,48.82 79.22,48.8 79.32,48.8 79.42,48.82 79.51,48.86 79.59,48.93 80.62,49.95 80.63,49.96 80.63,49.96 80.64,49.96 80.65,49.96 80.65,49.96 80.66,49.96 80.67,49.95 80.85,49.77 80.86,49.76 80.86,49.75 80.86,49.75 80.86,49.74 80.86,49.73 80.86,49.72 80.85,49.72 80.73,49.59 80.68,49.53 80.65,49.47 80.63,49.39 80.63,49.32 80.65,49.25 80.68,49.18 80.73,49.12 81.66,48.19 84.99,48.19 86.58,46.6 87.04,46.6 87.76,45.87 88.76,45.87 89.48,46.6 90.48,46.6 J2#3.12
Board_13-GPDI_CLK-: length 21
  Top w0.127: C9#6.1 74.57,52.01 74.91,52.01 75.01,52 75.1,51.97 75.18,51.92 75.25,51.85 75.3,51.77 75.34,51.68 75.35,51.58 75.35,51.25 75.35,51.21 75.36,51.18 75.38,51.16 75.4,51.14 75.43,51.12 75.46,51.11 75.49,51.1 75.52,51.11 75.55,51.12 75.57,51.14 75.6,51.16 75.61,51.18 75.62,51.21 75.63,51.25 75.63,51.58 75.64,51.68 75.67,51.77 75.72,51.85 75.79,51.92 75.87,51.97 75.96,52 76.06,52.01 78.29,52.01 78.84,51.46 v1(79.03,51.46)
  Bottom w0.127: J2#3.11 86.71,46.91 85.12,48.51 81.79,48.51 80.97,49.33 80.96,49.34 80.96,49.35 80.96,49.35 80.96,49.36 80.96,49.37 80.96,49.37 80.97,49.38 81.09,49.51 81.14,49.57 81.17,49.63 81.19,49.71 81.19,49.78 81.17,49.85 81.14,49.92 81.09,49.98 80.88,50.19 80.82,50.24 80.75,50.27 80.68,50.29 80.61,50.29 80.53,50.27 80.47,50.24 80.41,50.19 79.39,49.17 79.36,49.15 79.33,49.13 79.29,49.13 79.25,49.13 79.22,49.13 79.18,49.15 79.15,49.17 79.13,49.2 79.12,49.24 79.11,49.27 79.11,49.31 79.12,49.34 79.13,49.38 79.15,49.41 79.7,49.95 79.76,50.03 79.81,50.13 79.83,50.23 79.83,50.33 79.81,50.43 79.76,50.52 79.7,50.6 79.03,51.27 v1(79.03,51.46)
Board_13-GPDI_D0+: length 26.3
  Top w0.127: C3#4.1 74.53,49.4 75.15,49.4 75.18,49.4 75.21,49.39 75.24,49.37 75.26,49.35 75.28,49.32 75.29,49.29 75.29,49.26 75.29,48.69 75.3,48.59 75.34,48.5 75.39,48.42 75.46,48.35 75.54,48.3 75.63,48.27 75.73,48.26 75.78,48.26 75.88,48.27 75.97,48.3 76.05,48.35 76.12,48.42 76.17,48.5 76.2,48.59 76.21,48.69 76.21,49.26 76.22,49.29 76.23,49.32 76.24,49.35 76.26,49.37 76.29,49.39 76.32,49.4 76.35,49.4 78.4,49.4 80.44,51.44 v1(80.63,51.44) 80.63,51.63 80.86,51.85 R9#17.2 82.46,51.85 R10#20.1
  Bottom w0.127: v1(80.63,51.44) 80.63,51.63 80.85,51.85 80.87,51.87 80.9,51.88 80.93,51.89 80.96,51.89 80.99,51.88 81.02,51.87 81.05,51.85 81.46,51.43 81.54,51.37 81.62,51.33 81.72,51.31 81.82,51.31 81.91,51.33 82,51.37 82.07,51.43 82.11,51.47 82.17,51.55 82.21,51.63 82.24,51.73 82.24,51.83 82.21,51.92 82.17,52.01 82.11,52.08 81.7,52.5 81.68,52.52 81.66,52.55 81.66,52.58 81.66,52.61 81.66,52.64 81.68,52.67 81.7,52.7 81.71,52.71 81.73,52.72 81.75,52.72 81.77,52.72 81.79,52.72 81.81,52.71 81.83,52.7 81.95,52.57 82.02,52.51 82.1,52.48 82.18,52.46 82.27,52.46 82.35,52.48 82.43,52.51 82.5,52.57 82.6,52.67 82.66,52.74 82.7,52.82 82.72,52.9 82.72,52.99 82.7,53.07 82.66,53.15 82.6,53.22 82.47,53.35 82.46,53.36 82.45,53.38 82.45,53.4 82.45,53.42 82.45,53.44 82.46,53.46 82.47,53.47 83.22,54.22 87.04,54.22 87.76,53.49 88.76,53.49 89.48,54.22 90.48,54.22 J2#3.6
